# Altium PCB TAUV-Regulated_Power_board.PcbDoc (part 1 of 2) (continued)
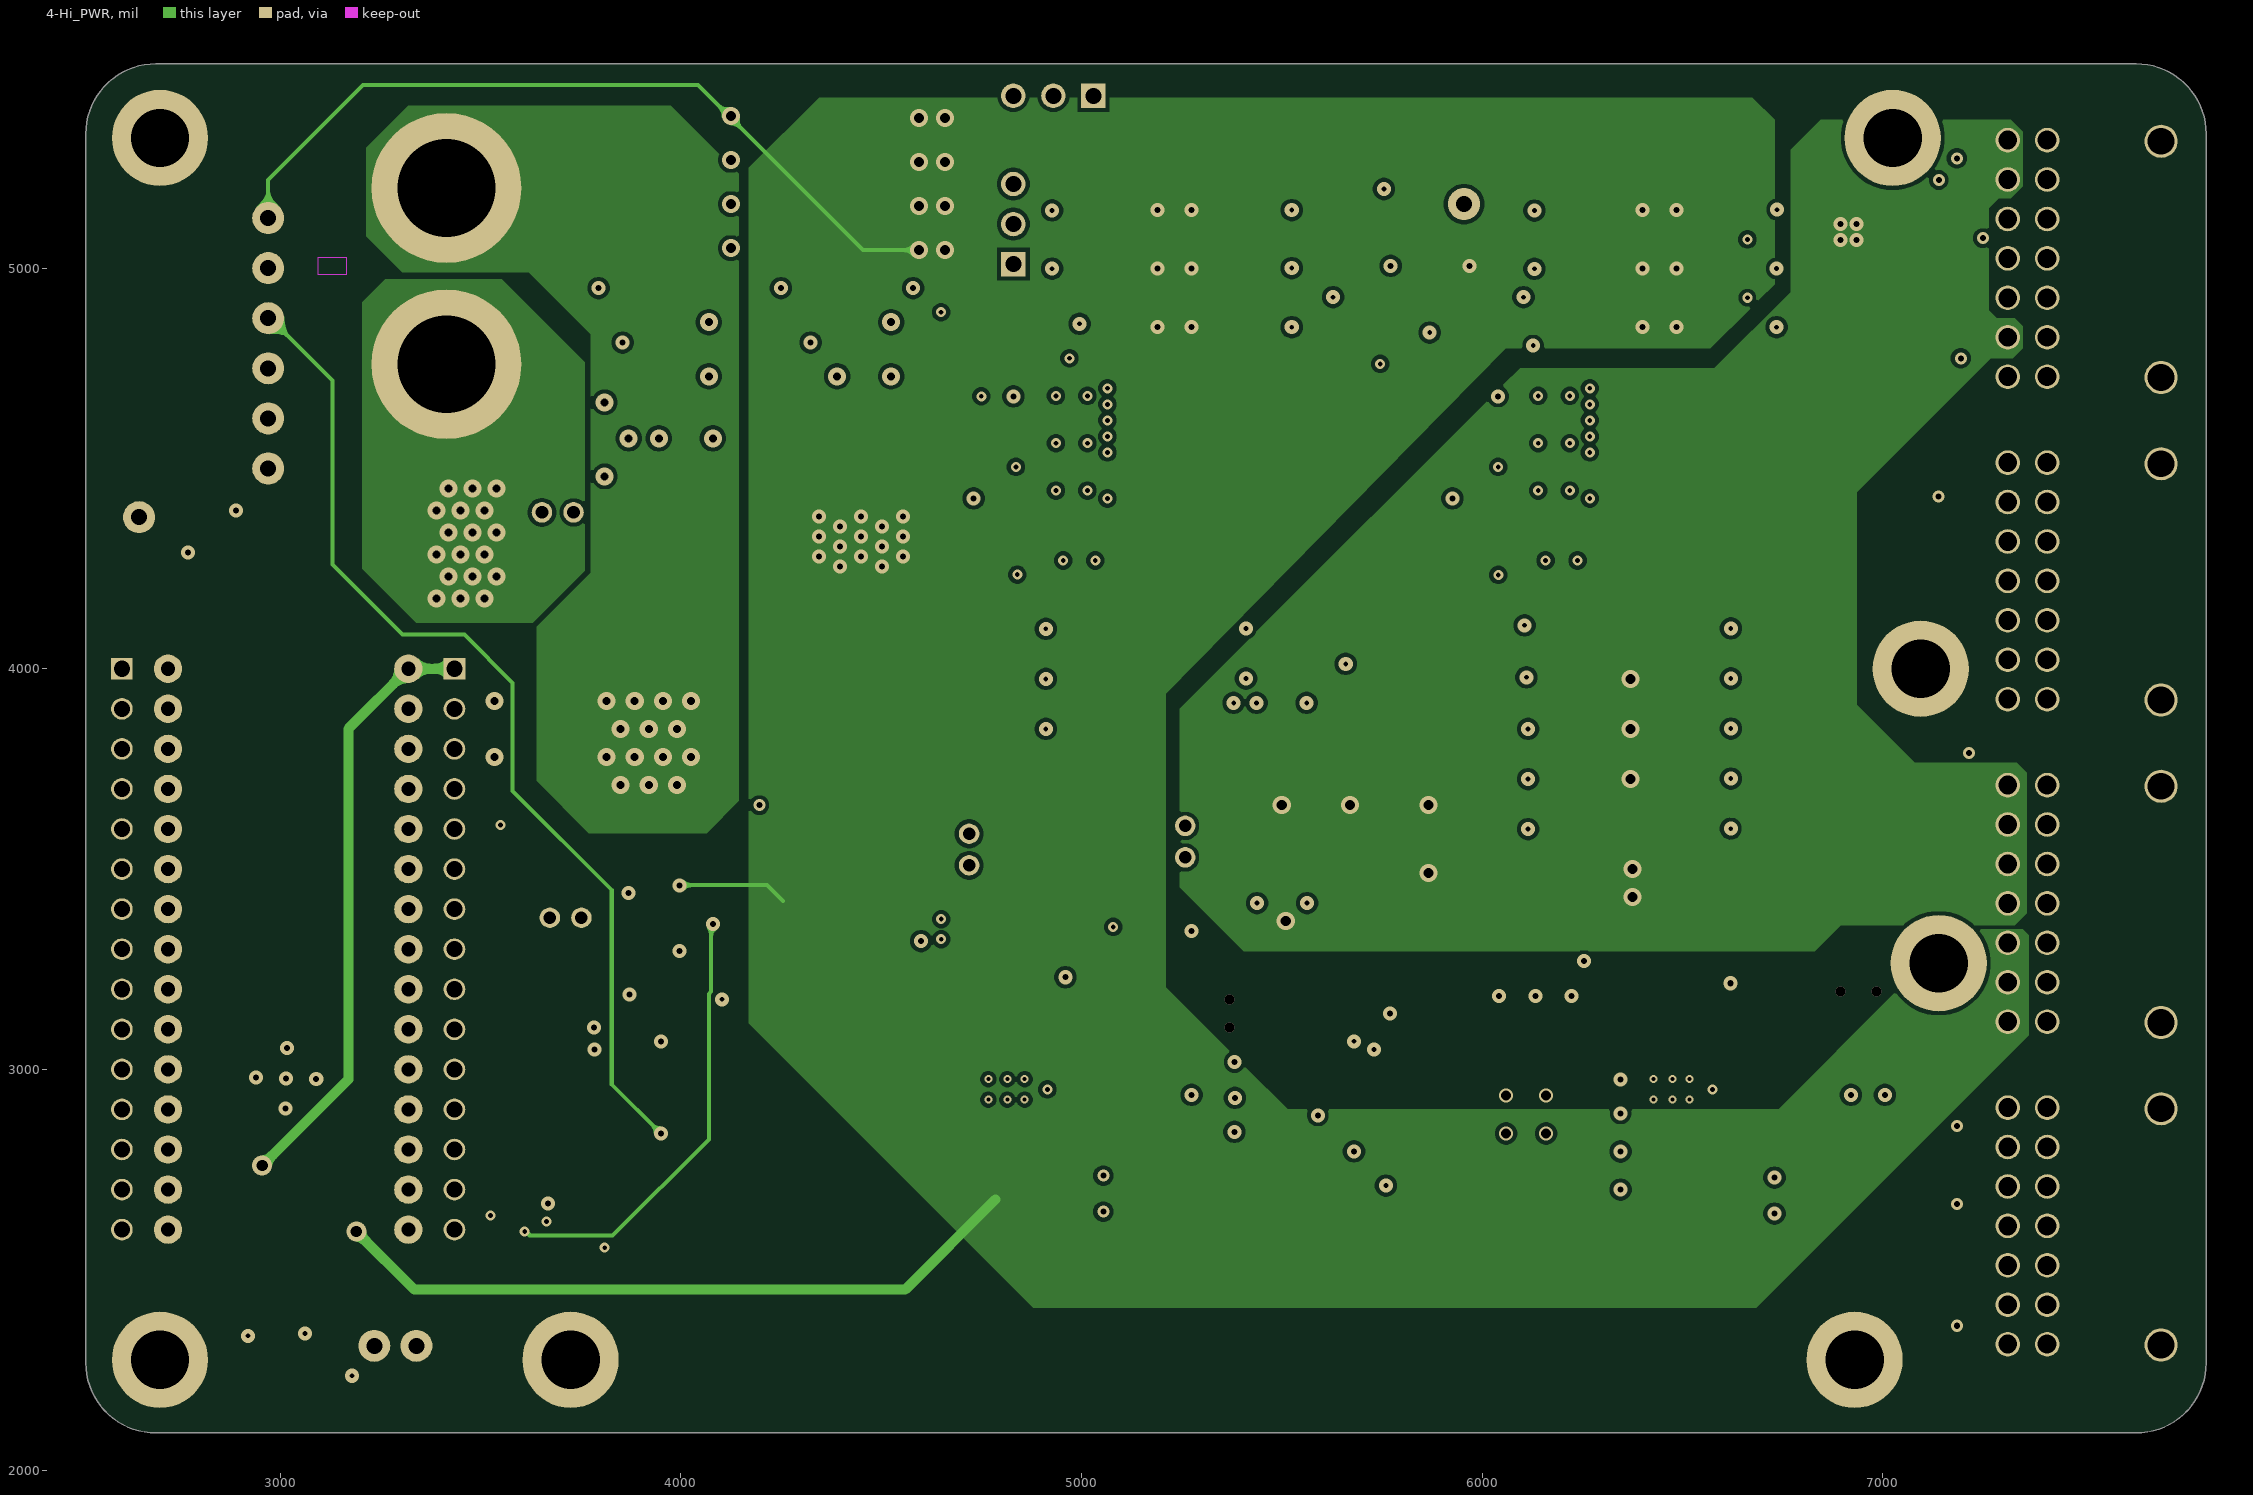
[diagram p4: 4-Hi_PWR]
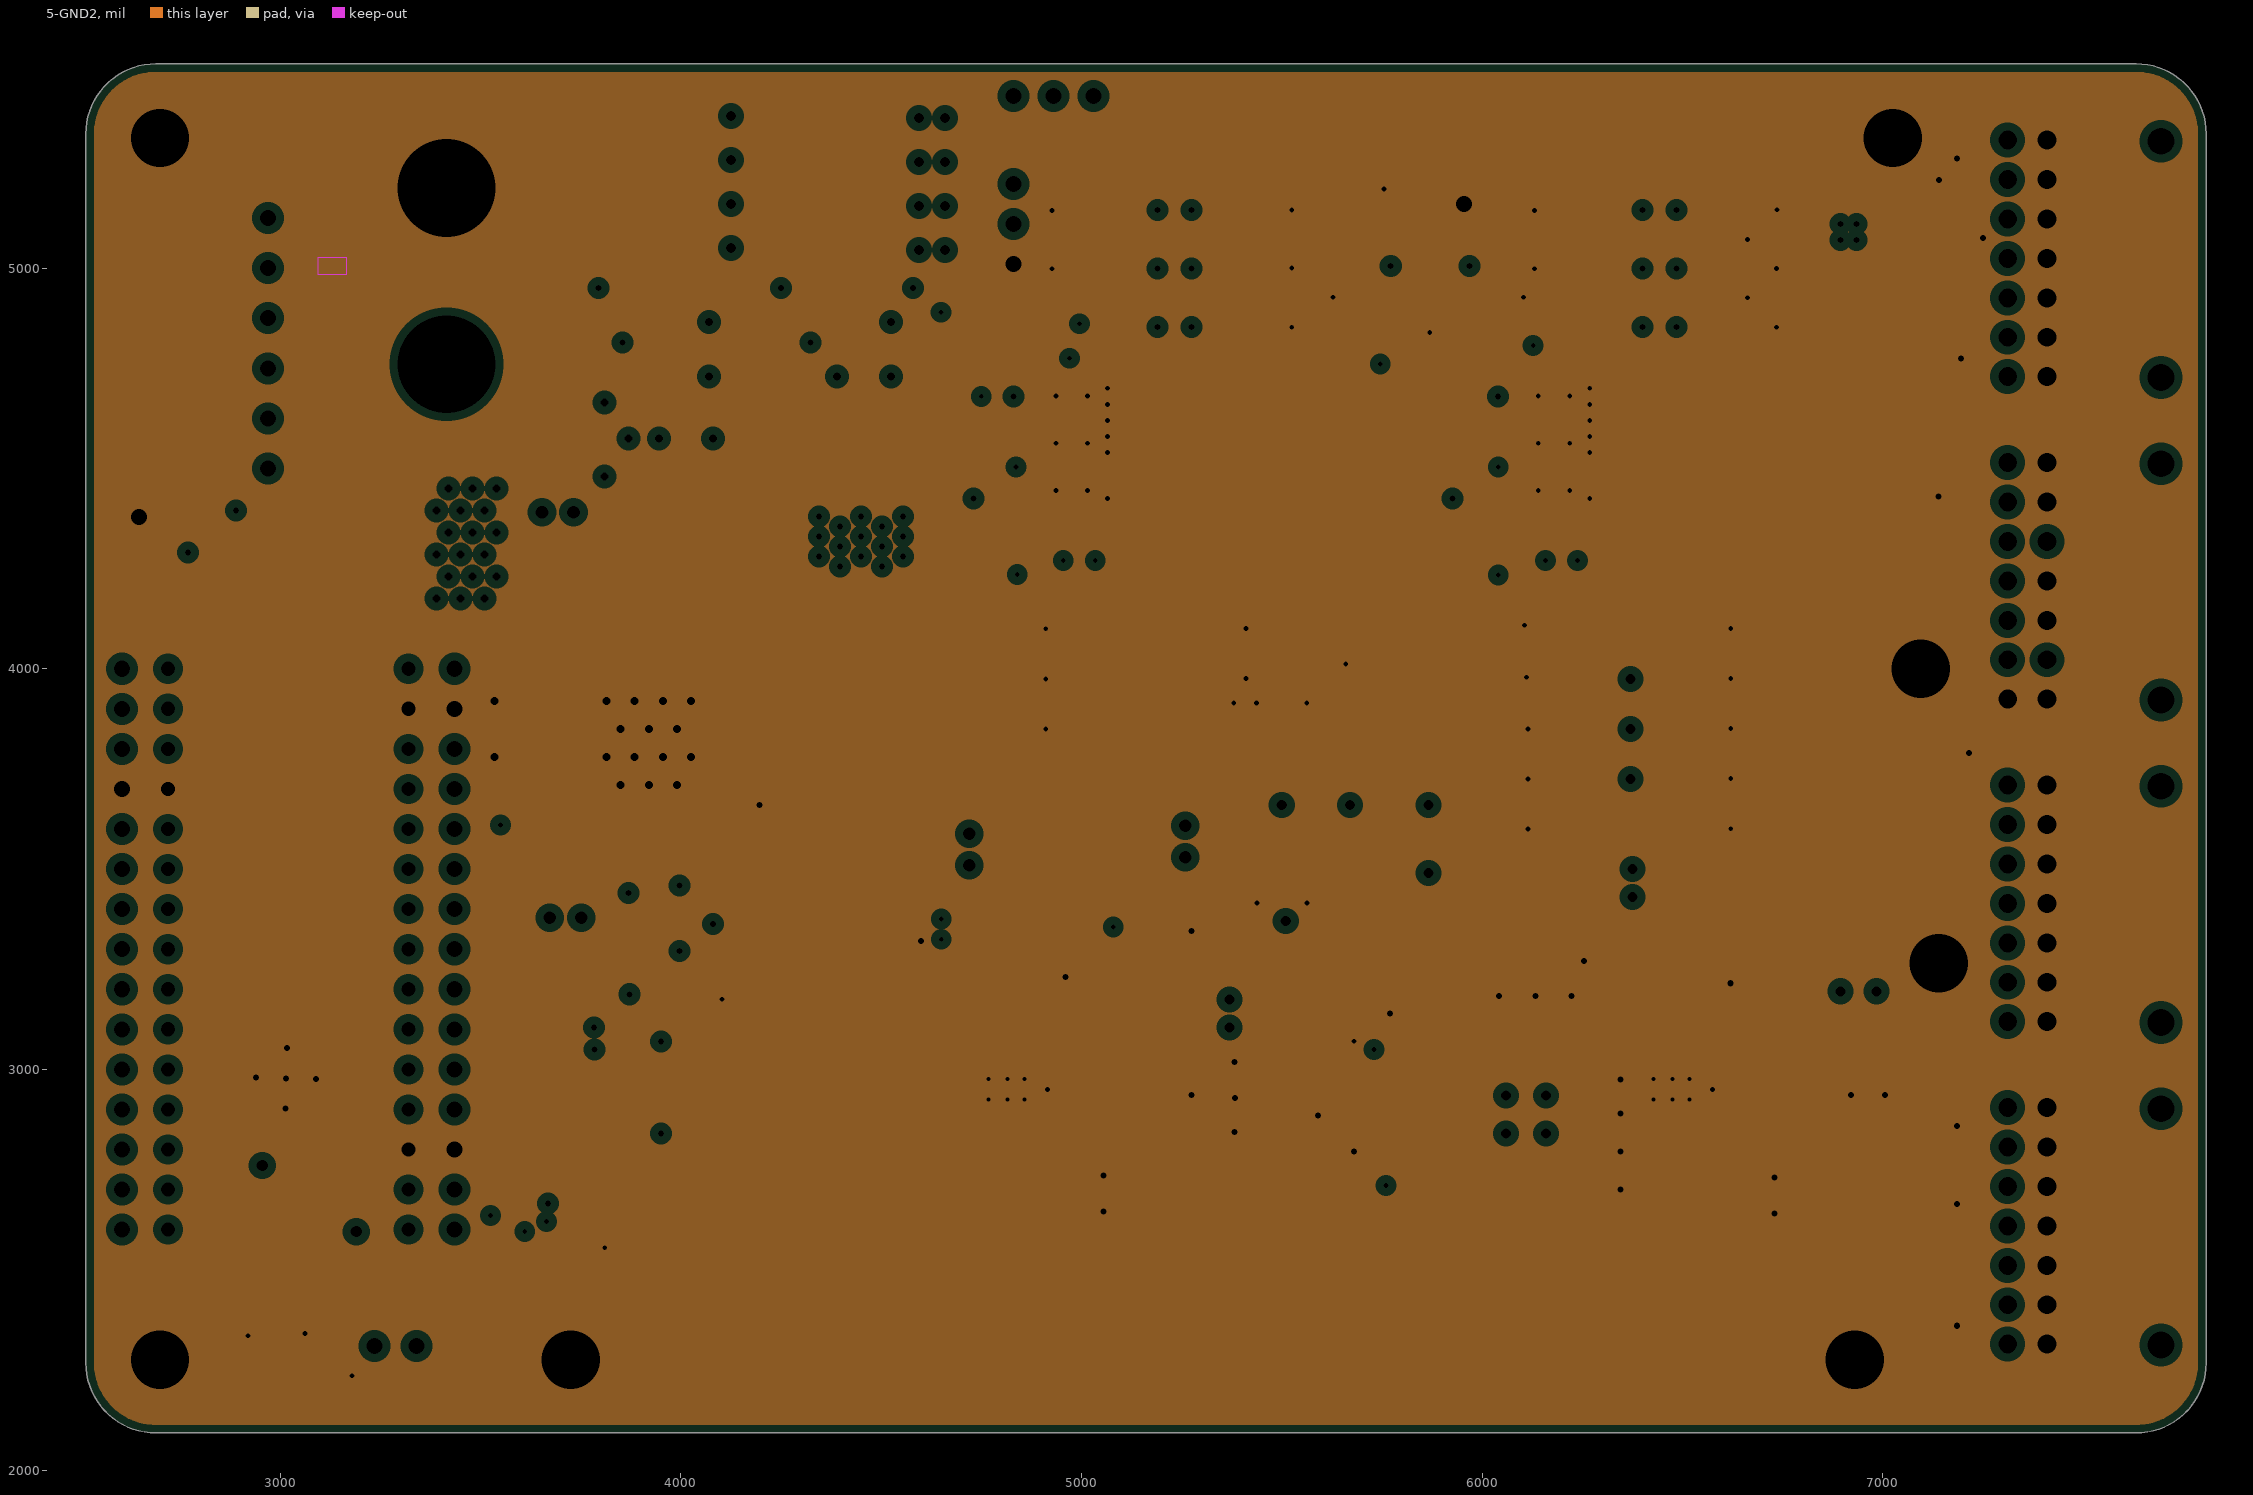
[diagram p5: 5-GND2, clearances drawn from the general rule]

## Layer stack, top to bottom
Top Solder: solder mask 0.4, Solder Resist, Dk 3.5
1-Top: signal copper 1.4
Dielectric 4: prepreg 2.8, PP-006, Dk 4.1
2-GND1: plane copper 1.378, net GND
Dielectric 2: prepreg 2.8, PP-006, Dk 4.1
3-Signal1: signal copper 1.378
Dielectric 1: dielectric 12.6, FR-4, Dk 4.8
4-Hi_PWR: signal copper 1.378
Dielectric 3: prepreg 2.8, PP-006, Dk 4.1
5-GND2: plane copper 1.378, net GND
Dielectric 5: prepreg 2.8, PP-006, Dk 4.1
6-Bottom: signal copper 1.4
Bottom Solder: solder mask 0.4, Solder Resist, Dk 3.5

## Board outline
2514.84,2267.5 ccw(c2689.84,2267.5) 2689.84,2092.5 7632.5,2092.5 ccw(c7632.5,2267.5) 7807.5,2267.5 7807.5,5335 ccw(c7632.5,5335) 7632.5,5510 2689.84,5510 ccw(c2689.84,5335) 2514.84,5335

## Design rules (kind name [scope] priority, off if disabled: settings)
AssemblyTestpoint [(IsPad And (OnTopLayer Or OnBottomLayer)) Or (IsVia) Or (IsPad And OnMultiLayer)] p1: testpointundercomponent=TRUE minsize=40 maxsize=100 preferedsize=60 minholesize=0 maxholesize=40 preferedholesize=32 testpointgrid=1 usegrid=TRUE gridtolerance=0.01 allowsidetop=TRUE allowsidebottom=TRUE
Clearance [All] p1: gap=10 ignorepadtopadclearanceinfootprint=FALSE except(5: SMDPad-SMDPad SMDPad-THPad SMDPad-Via SMDPad-Fill SMDPad-Poly SMDPad-Region SMDPad-Text SMDPad-Hole)
ComponentClearance [All] p1: gap=5 collisioncheckmode=3 verticalgap=10 showdistances=FALSE
FabricationTestpoint [(IsPad And (OnTopLayer Or OnBottomLayer)) Or (IsVia) Or (IsPad And OnMultiLayer)] p1: side=3 testpointundercomponent=TRUE minsize=40 maxsize=100 preferedsize=60 minholesize=0 maxholesize=40 preferedholesize=32 testpointgrid=1 allowsidetop=TRUE allowsidebottom=TRUE usegrid=TRUE gridtolerance=0.01
HoleSize [All] p1: absolutevalues=TRUE maxlimit=1000 minlimit=1 maxpercent=80.000 minpercent=20.000
PlaneClearance [All] p1: clearance=20
PlaneConnect "High Current" [(IsVia or HasFootprint('MOLEX NANO-FIT 2X7 - Right Angle') or HasFootprint('XT90')) and (WithinRoom('HighCurrent') or WithinRoom('Vicor') or WithinRoom('Connectors'))] p1: planeconnectstyle=Direct reliefexpansion=20 reliefentries=4 reliefconductorwidth=10 reliefairgap=10
PlaneConnect [All] p2: planeconnectstyle=Relief reliefexpansion=50 reliefentries=4 reliefconductorwidth=30 reliefairgap=5
PolygonConnect [All] p1: connectstyle=Direct reliefconductorwidth=10 reliefentries=4 polygonreliefangle="90 Angle" airgapwidth=10
RoomDefinition Connectors [(HasFootprint('MOLEX NANO-FIT 2X7 - Right Angle'))] p1 off: confinementstyle=ConfineIn formatcopy=TRUE lockcomponents=FALSE outline 7313.81,5655 6705,5560.35 6705,1863.24 7047.46,1810 8455.34,1810 8950,1886.9 8911.95,1892.82 8911.95,5601.76 8569.49,5655
RoomDefinition Vicor [IsVia] p2 off: confinementstyle=ConfineIn formatcopy=TRUE lockcomponents=FALSE outline 4900,4810 4835,4745 4835,4380 4900,4315 6340,4315 6415,4390 6415,4745 6350,4810
RoomDefinition HighCurrent [IsVia] p3 off: confinementstyle=ConfineIn formatcopy=TRUE lockcomponents=FALSE outline 4380,3490 4310,3560 4310,5180 4040,5450 3185,5450 3185,4175 3265,4095 3540,4095 3540,4085 3705,3920 3705,3625 3895,3625 4060,3460 4335,3460
RoutingVias [All] p1: holewidth=28 width=50 viastyle="Through Hole" minholewidth=11.81 minwidth=15 maxholewidth=28 maxwidth=50
SilkToSilkClearance [All] p1: silktosilkclearance=0
SolderMaskExpansion [All] p1: expansion=4 istentingtop=FALSE
Width [All] p1: maxlimit=200 minlimit=5 preferedwidth=10 midlayer1_maxwidth=100 midlayer2_maxwidth=100 minimp=50.000000 maximp=50.000000 favimp=50.000000
23 further rules are at their usual default settings.

## Classes and differential pairs
net class D12_Nets: NetD9_2 VBAT
net class C78_Nets: GND V12P0
net class C77_Nets: GND V12P0
net class C76_Nets: GND V12P0
net class C75_Nets: GND V3P3
net class C74_Nets: GND V3P3
net class C20_Nets: GND V3P3
net class C14_Nets: GND V5P0_Servo
net class C11_Nets: GND V5P0
net class C10_Nets: GND V5P0
net class C8_Nets: GND V5P0
net class R3_Nets: NetR3_2 V12P0_SYNC1
net class U9_Nets: GND NetC65_2 NetR38_2 NetR39_1 NetR40_1 NetR41_2 NetU9_4 NetU9_6 SERV_VCC V5P0_Servo VCC_BATT_FILT
net class R42_Nets: GND NetR41_2
net class R41_Nets: NetR41_2 V5P0_Servo
net class R40_Nets: NetC65_1 NetR40_1
net class R39_Nets: NetR39_1 SERV_VCC
net class R38_Nets: NetR38_2 VCC_BATT_FILT
net class L1_Nets: NetC65_2 V5P0_Servo
net class C73_Nets: GND SERV_VCC
net class C72_Nets: GND V5P0_Servo
net class C71_Nets: GND V5P0_Servo
net class C70_Nets: GND V5P0_Servo
net class C69_Nets: GND V5P0_Servo
net class C68_Nets: GND V5P0_Servo
net class C67_Nets: GND V5P0_Servo
net class C66_Nets: GND V5P0_Servo
net class C65_Nets: NetC65_1 NetC65_2
net class C64_Nets: GND VCC_BATT_FILT
net class C63_Nets: GND VCC_BATT_FILT
net class C62_Nets: GND VCC_BATT_FILT
net class TP35_Nets: VCC_BATT_FILT
net class JMP2_Nets: GND NetJMP2_3 REED_P
net class JMP1_Nets: NetJMP1_3 THRST_EN V3P3
net class J4_Nets: NetJ4_3 NetJ4_4 NetJ4_5 NetJ4_6 NetJ4_7 NetJ4_8 THRUST_Sense VBAT_THRUSTERS
net class TP34_Nets: GND
net class TP33_Nets: GND
net class TP32_Nets: GND
net class TP31_Nets: GND
net class TP30_Nets: NetL6_1
net class TP29_Nets: NetL6_2
net class TP28_Nets: V12P0_SYNC0
net class TP27_Nets: NetR34_1
net class TP26_Nets: NetL5_1
net class TP25_Nets: NetL5_2
net class TP24_Nets: NetR30_1
net class TP23_Nets: SGND
net class TP22_Nets: V5P0_12V_EN
net class TP21_Nets: MUX_S2
net class TP20_Nets: MUX_S1
net class TP19_Nets: MUX_S0
net class TP18_Nets: REED_P
net class TP17_Nets: THRST_EN
net class TP16_Nets: V12P0_ARD
net class TP15_Nets: VTHRUST_Sense
net class TP14_Nets: VCC_Sense
net class TP13_Nets: V12P0_Sense
net class TP12_Nets: V5P0_Sense
net class TP5_Nets: V5P0_S_Sense
net class R37_Nets: NetD11_2 V12P0_ARD
net class R36_Nets: NetD4_2 V5P0_12V_EN
net class D11_Nets: GND NetD11_2
net class D4_Nets: GND NetD4_2
net class U1_Nets: GND V12P0_ARD VCC_BATT_FILT
net class C61_Nets: GND V12P0_ARD
net class C60_Nets: GND VCC_BATT_FILT
net class U8_Nets: EAO GND NetC57_2 NetC59_1 NetL6_1 NetL6_2 NetR33_1 NetR34_1 NetU8_A9 NetU8_A14 NetU8_C1 SGND V12P0 V12P0_SYNC0 V12P0_SYNC1 VCC_BATT_FILT
net class U7_Nets: GND V5P0_12V_EN VCC_BATT_FILT
net class U6_Nets: EAO GND NetC39_1 NetC41_1 NetL5_1 NetL5_2 NetR3_2 NetR28_1 NetR30_1 NetU6_A9 NetU6_A14 SGND V12P0 V12P0_SYNC0 VCC_BATT_FILT
net class U5_Nets: Ard_A0 GND MUX_EN_L MUX_S0 MUX_S1 MUX_S2 NetU5_2 NetU5_4 THRUST_Sense V3P3 V5P0 V5P0_S_Sense V5P0_Sense V12P0_Sense VCC_Sense VTHRUST_Sense
net class R35_Nets: NetR34_1 SGND
net class R34_Nets: NetR34_1 V12P0
net class R33_Nets: NetR33_1 V5P0_12V_EN
net class R31_Nets: NetR30_1 SGND
net class R30_Nets: NetR30_1 V12P0
net class L6_Nets: NetL6_1 NetL6_2 NetL6_3
net class L5_Nets: NetL5_1 NetL5_2 NetL5_3
net class C59_Nets: NetC59_1 SGND
net class C58_Nets: EAO SGND
net class C57_Nets: NetC57_2 SGND
net class C56_Nets: GND V12P0
net class C55_Nets: GND V12P0
net class C54_Nets: GND V12P0
net class C53_Nets: GND V12P0
net class C52_Nets: GND V12P0
net class C51_Nets: GND V12P0
net class C50_Nets: GND V12P0
net class C49_Nets: GND V12P0
net class C48_Nets: GND V12P0
net class C47_Nets: GND V12P0
net class C46_Nets: GND VCC_BATT_FILT
net class C45_Nets: GND VCC_BATT_FILT
net class C44_Nets: GND VCC_BATT_FILT
net class C43_Nets: GND VCC_BATT_FILT
net class C42_Nets: GND VCC_BATT_FILT
net class C41_Nets: NetC41_1 SGND
net class C40_Nets: EAO SGND
net class C39_Nets: NetC39_1 SGND
net class C38_Nets: GND V12P0
net class C37_Nets: GND V12P0
net class C36_Nets: GND V12P0
net class C35_Nets: GND V12P0
net class C34_Nets: GND V12P0
net class C33_Nets: GND V12P0
net class C32_Nets: GND V12P0
net class C31_Nets: GND V12P0
net class C30_Nets: GND V12P0
net class C29_Nets: GND V12P0
net class C28_Nets: GND VCC_BATT_FILT
net class C27_Nets: GND VCC_BATT_FILT
net class C26_Nets: GND VCC_BATT_FILT
net class C25_Nets: GND VCC_BATT_FILT
net class C24_Nets: GND VCC_BATT_FILT
net class C23_Nets: GND V5P0_12V_EN
net class C22_Nets: GND VCC_BATT_FILT
net class R29_Nets: GND Sense_COM
net class R28_Nets: NetR28_1 V5P0_12V_EN
net class R26_Nets: Ard_D6 V5P0_ARD
net class R25_Nets: Sense_COM VTHRUST_Sense
net class R24_Nets: VBAT_THRUSTERS VTHRUST_Sense
net class R23_Nets: Sense_COM V12P0_Sense
net class R22_Nets: Sense_COM V5P0_Sense
net class R21_Nets: Sense_COM V5P0_S_Sense
net class R18_Nets: V12P0 V12P0_Sense
net class R17_Nets: V5P0 V5P0_Sense
net class R10_Nets: V5P0_S_Sense V5P0_Servo
component class Sht3-V12P0_reg: C22 C23 C24 C25 C26 C27 C28 C29 C30 C31 C32 C33 C34 C35 C36 C37 C38 C39 C40 C41 C42 C43 C44 C45 C46 C47 C48 C49 C50 C51 C52 C53 C54 C55 C56 C57 C58 C59 C76 C77 C78 L5 L6 R3 R28 R30 R31 R33 R34 R35 TP22 TP23 TP24 TP25 TP26 TP27 TP28 TP29 TP30 U6 U7 U8
net class J3_Nets: Ard_3V3 Ard_A0 Ard_A1 Ard_A2 Ard_A3 Ard_A4/SDA Ard_A5/SCL Ard_A6 Ard_A7 Ard_D13 Ard_RESET GND V5P0_ARD V12P0_ARD
net class J2_Nets: Ard_D0/RX Ard_D1/TX Ard_D2 Ard_D3 Ard_D4 Ard_D5 Ard_D6 Ard_D7 Ard_D8 Ard_RESET GND MUX_EN_L MUX_S0 MUX_S1 MUX_S2
net class R7_Nets: GND NetD1_1
net class Q3_Nets: Ard_D6 NetD1_2 V3P3
net class D1_Nets: NetD1_1 NetD1_2
net class MH7_Nets: GND
net class MH6_Nets: GND
net class MH5_Nets: GND
net class J1_Nets: GND NetJ1_11 NetJ1_12 NetJ1_13 NetJ1_14 THRST_EN V3P3 VBAT
net class P5_Nets: GND V3P3 V5P0
net class P4_Nets: GND V12P0 VCC_BATT_FILT
net class Designator_Nets: GND NetC1_1 NetC1_2 NetC4_2 NetC7_1 NetC9_1 NetC9_2 NetC15_2 NetC21_1 NetC65_1 NetC65_2 NetR38_2 NetR39_1 NetR40_1 NetR41_2 SERV_VCC V3P3 V5P0 V5P0_Servo VCC_BATT_FILT
net class U4_Nets: GND NetC9_1 NetC9_2 NetC15_2 NetC21_1 VCC_BATT_FILT
net class U2_Nets: GND NetC1_1 NetC1_2 NetC4_2 NetC7_1 VCC_BATT_FILT
net class TP11_Nets: V3P3
net class TP10_Nets: V5P0_Servo
net class TP9_Nets: V5P0
net class TP8_Nets: Ard_A4/SDA
net class TP7_Nets: Ard_A5/SCL
net class TP6_Nets: V12P0
net class TP4_Nets: VBAT_THRUSTERS
net class TP3_Nets: GND
net class TP2_Nets: VCC_BATT_FILT
net class TP1_Nets: GND
net class R20_Nets: Sense_COM VCC_Sense
net class R19_Nets: VCC_BATT_FILT VCC_Sense
net class R16_Nets: NetD9_2 REED_P
net class R15_Nets: NetD9_2 REED_P
net class R14_Nets: NetD8_2 V3P3
net class R13_Nets: NetD7_2 V5P0_Servo
net class R12_Nets: NetD6_2 V5P0
net class R11_Nets: NetD5_2 V12P0
net class R9_Nets: NetD3_2 VBAT_THRUSTERS
net class R8_Nets: NetD2_2 VCC_BATT_FILT
net class R6_Nets: GND NetC15_2
net class R4_Nets: NetC15_2 V5P0
net class R2_Nets: GND NetC4_2
net class R1_Nets: NetC4_2 V3P3
net class Q2_Nets: NetD9_2 REED_P VCC_BATT_FILT
net class Q1_Nets: NetD9_2 REED_P VCC_BATT_FILT
net class P3_Nets: GND VBAT
net class P2_Nets: GND V3P3 V5P0 V5P0_Servo V12P0
net class P1_Nets: Ard_A4/SDA Ard_A5/SCL GND REED_P THRST_EN V3P3 VBAT_THRUSTERS VCC_BATT_FILT
net class MH4_Nets: GND
net class MH3_Nets: GND
net class MH2_Nets: GND
net class MH1_Nets: GND
net class L4_Nets: NetC9_2 V5P0
net class L2_Nets: NetC1_2 V3P3
net class TB1_Nets: Ard_3V3 Ard_A0 Ard_A1 Ard_A2 Ard_A3 Ard_A4/SDA Ard_A5/SCL Ard_A6 Ard_A7 Ard_D0/RX Ard_D1/TX Ard_D2 Ard_D3 Ard_D4 Ard_D5 Ard_D6 Ard_D7 Ard_D8 Ard_D13 Ard_RESET GND MUX_EN_L MUX_S0 MUX_S1 MUX_S2 V5P0_ARD V12P0_ARD
net class D10_Nets: GND VBAT
net class D9_Nets: NetD9_2 VBAT
net class D8_Nets: GND NetD8_2
net class D7_Nets: GND NetD7_2
net class D6_Nets: GND NetD6_2
net class D5_Nets: GND NetD5_2
net class D3_Nets: GND NetD3_2
net class D2_Nets: GND NetD2_2
net class C21_Nets: GND NetC21_1
net class C19_Nets: GND V5P0
net class C17_Nets: GND V5P0
net class C15_Nets: NetC15_2 V5P0
net class C13_Nets: GND VCC_BATT_FILT
net class C12_Nets: GND VCC_BATT_FILT
net class C9_Nets: NetC9_1 NetC9_2
net class C7_Nets: GND NetC7_1
net class C6_Nets: GND V3P3
net class C5_Nets: GND V3P3
net class C4_Nets: NetC4_2 V3P3
net class C3_Nets: GND VCC_BATT_FILT
net class C2_Nets: GND VCC_BATT_FILT
net class C1_Nets: NetC1_1 NetC1_2
component class Designator: C1 C2 C3 C4 C5 C6 C7 C8 C9 C10 C11 C12 C13 C14 C15 C17 C19 C20 C21 C62 C63 C64 C65 C66 C67 C68 C69 C70 C71 C72 C73 C74 C75 L1 L2 L4 R1 R2 R4 R6 R38 R39 R40 R41 R42 U2 U4 U9
component class Designator: C60 C61 D1 D2 D3 D4 D5 D6 D7 D8 D9 D10 D11 D12 J1 J2 J3 J4 JMP1 JMP2 MH1 MH2 MH3 MH4 MH5 MH6 MH7 P1 P2 P3 P4 P5 Q1 Q2 Q3 R7 R8 R9 R10 R11 R12 R13 R14 R15 R16 R17 R18 R19 R20 R21 R22 R23 R24 R25 R26 R29 R36 R37 TB1 TP1 TP2 TP3 TP4 TP5 TP6 TP7 TP8 TP9 TP10 TP11 TP12 TP13 TP14 TP15 TP16 TP17 TP18 TP19 TP20 TP21 TP31 TP32 TP33 TP34 TP35 U1 U5

## Components (designator, comment, footprint, x,y, rotation, side; value= is the part's Value field where it differs from the comment)
C1 "100nF" CAPC0603(1608)100_L 6500,3165 r90 top
C2 "4.7uF" CAPC1206(3216)190_L 6610,2640 r0 top
C3 "4.7uF" CAPC1206(3216)190_L 6610,2730 r0 top
C4 "75pF" CAPC0603(1608)100_L 6395,3165 r270 top
C5 "4.7uF" CAPC1206(3216)190_L 6919.48,3058.81 r270 top
C6 "47uF" CAPC1206(3216)190_L 7004.48,3058.81 r270 top
C7 "1uF" CAPC0603(1608)100_L 6450,3165 r90 top
C8 "47nF" CAPC1608X90X35LL10T15 7210,2905 r180 bottom
C9 "100nF" CAPC0603(1608)100_L 4840,3172.56 r90 top
C10 "47nF" CAPC1608X90X35LL10T15 7210,2710 r180 bottom
C11 "47nF" CAPC1608X90X35LL10T15 7200,5050 r90 bottom
C12 "4.7uF" CAPC1206(3216)190_L 4940,2735 r0 top
C13 "4.7uF" CAPC1206(3216)190_L 4940,2645 r0 top
C14 "" CAPC1608X90X35LL10T15 7200,4875 r270 bottom
C15 "30pF" 0603 4730,3173.4 r270 top
C17 "4.7uF" CAPC1206(3216)190_L 5275,3056.19 r270 top
C19 "47uF" CAPC1206(3216)190_L 5275,3235 r90 top
C20 "47nF" CAPC1608X90X35LL10T15 7210,2314.07 r180 bottom
C21 "1uF" CAPC0603(1608)100_L 4785,3172.56 r90 top
C22 "330nF" FP-C1608-080-0_1-IPC_A 6022.68,4962.48 r90 bottom
C23 "100nF" CAPC0603(1608)100_L 5715,4965 r270 bottom
C24 "2.2uF" FP-1210-L_3_3_0_4-W_2_5_0-IPC_B 5395.07,5144.5 r0 top
C25 "2.2uF" FP-1210-L_3_3_0_4-W_2_5_0-IPC_B 5395.07,4999.05 r0 top
C26 "2.2uF" FP-1210-L_3_3_0_4-W_2_5_0-IPC_B 5395.07,4853.61 r0 top
C27 "2.2uF" FP-1210-L_3_3_0_4-W_2_5_0-IPC_B 5056.65,5144.5 r180 top
C28 "2.2uF" FP-1210-L_3_3_0_4-W_2_5_0-IPC_B 5056.65,4999.05 r180 top
C29 "10uF" FP-GRM32-MFG 5562.8,3552.78 r270 top
C30 "10uF" FP-GRM32-MFG 5437.8,3552.78 r270 top
C31 "10uF" FP-GRM32-MFG 5048.78,3850.2 r180 top
C32 "10uF" FP-GRM32-MFG 5048.78,3975.2 r180 top
C33 "10uF" FP-GRM32-MFG 5048.78,4100.2 r180 top
C34 "10uF" FP-GRM32-MFG 5273.01,4100.2 r0 top
C35 "10uF" FP-GRM32-MFG 5273.01,3975.2 r0 top
C36 "10uF" FP-GRM32-MFG 5273.01,3850.2 r0 top
C37 "10uF" FP-GRM32-MFG 5562.8,3777.01 r90 top
C38 "10uF" FP-GRM32-MFG 5437.8,3777.01 r90 top
C39 "47nF" CAPC1608X90X35LL10T15 4766.54,4545.2 r180 top
C40 "56pF" FP-C1608-080-0_1-IPC_C 4762.42,4232.27 r0 top
C41 "4700pF" CAPC1608X90X35ML10T15 4758.66,4468.76 r180 top
C42 "2.2uF" FP-1210-L_3_3_0_4-W_2_5_0-IPC_B 6605.25,4853.34 r0 top
C43 "2.2uF" FP-1210-L_3_3_0_4-W_2_5_0-IPC_B 6605.25,4998.81 r0 top
C44 "2.2uF" FP-1210-L_3_3_0_4-W_2_5_0-IPC_B 6605.25,5144.27 r0 top
C45 "2.2uF" FP-1210-L_3_3_0_4-W_2_5_0-IPC_B 6260.58,5144.27 r180 top
C46 "2.2uF" FP-1210-L_3_3_0_4-W_2_5_0-IPC_B 6260.58,4998.81 r180 top
C47 "10uF" FP-GRM32-MFG 6483.2,4100.2 r0 top
C48 "10uF" FP-GRM32-MFG 6483.2,3975.2 r0 top
C49 "10uF" FP-GRM32-MFG 6252.72,4100.2 r180 top
C50 "10uF" FP-GRM32-MFG 6252.72,3975.2 r180 top
C51 "10uF" FP-GRM32-MFG 6483.2,3850.2 r0 top
C52 "10uF" FP-GRM32-MFG 6483.2,3725.2 r0 top
C53 "10uF" FP-GRM32-MFG 6483.2,3600.2 r0 top
C54 "10uF" FP-GRM32-MFG 6252.72,3600.2 r180 top
C55 "10uF" FP-GRM32-MFG 6252.72,3850.2 r180 top
C56 "10uF" FP-GRM32-MFG 6252.72,3725.2 r180 top
C57 "47nF" CAPC1608X90X35LL10T15 5962.27,4545.2 r0 top
C58 "56pF" FP-C1608-080-0_1-IPC_C 5958.16,4232.27 r0 top
C59 "4700pF" CAPC1608X90X35ML10T15 5954.4,4468.76 r180 top
C60 "330nF" FP-C1608-080-0_1-IPC_A 3115,2435 r90 bottom
C61 "100nF" CAPC0603(1608)100_L 2915,2425 r270 bottom
C62 "0.1uF" FP-CC0603-DA-MFG 5476.38,2843.89 r180 top value="100 nF"
C63 "" 0603 5476.38,2928.89 r180 top
C64 "" 0603 5476.38,3018.89 r180 top
C65 "220nF" CAPC1608X87X35NL15T15 5940,3060 r0 top
C66 "22uF" 0603 6042.89,3090 r90 top
C67 "22uF" 0603 6132.89,3090 r90 top
C68 "22uF" 0603 6222.89,3090 r90 top
C69 "22uF" 0603 6251.51,2975 r0 top
C70 "0.1uF" FP-CC0603-DA-MFG 6251.51,2890 r0 top value="100 nF"
C71 "0.1uF" FP-CC0603-DA-MFG 6251.51,2795 r0 top value="100 nF"
C72 "0.1uF" FP-CC0603-DA-MFG 6251.51,2700 r0 top value="100 nF"
C73 "" 0603 5680,2725 r270 top value=1uF
C74 "47nF" CAPC1608X90X35LL10T15 7210,4430 r180 bottom
C75 "47nF" CAPC1608X90X35LL10T15 4150,3635 r90 top
C76 "47nF" CAPC1608X90X35LL10T15 7170,3765 r90 top
C77 "47nF" CAPC1608X90X35LL10T15 7210,5221.2 r180 bottom
C78 "47nF" CAPC1608X90X35LL10T15 7210,5320 r180 bottom
D1 "LED RED" C0805 2770,4380 r270 top
D2 "LED GREEN" LED_0805 2695,5125 r0 top
D3 "LED GREEN" LED_0805 2695,4500 r0 top
D4 "LED GREEN" LED_0805 5690,5163.82 r270 top
D5 "LED GREEN" LED_0805 2695,4625 r0 top
D6 "LED GREEN" LED_0805 2695,4750 r0 top
D7 "LED GREEN" LED_0805 2695,4875 r0 top
D8 "LED GREEN" LED_0805 2695,5000 r0 top
D9 "SBRT15U50SP5-13" SBRT15U50SP5-13 4021.77,4666.22 r270 top
D10 "SMAJ30CA" SMASERIES_LTF 3130,5005 r270 top
D11 "LED GREEN" LED_0805 3050,2235 r180 bottom
D12 "SBRT15U50SP5-13" SBRT15U50SP5-13 4021.77,4483.78 r270 top
J1 "UMPT-10-01.5-L-V-S-W-TR" FP-UMPT-10-01_5-L-V-S-W-T-MFG 3685,3884.41 r90 top locked
J2 "TSW-115-05-G-S" SAMTEC_TSW-115-05-G-S 2605,4000 r270 top
J3 "TSW-115-05-G-S" SAMTEC_TSW-115-05-G-S 3435,4000 r270 top
J4 "UMPT-04-01.5-L-V-S-W-TR" FP-UMPT-04-01_5-L-V-S-W-T-MFG 4989.37,3576.34 r0 top locked
JMP1 "TSW-103-07-L-S" SMTC-TSW-103-07-X-S 5030,5430 r180 top
JMP2 "TSW-103-07-L-S" SMTC-TSW-103-07-X-S 4830,5010 r90 top